# Altium PCB 2019.07.17.master.PcbDoc (part 3 of 6) (continued)
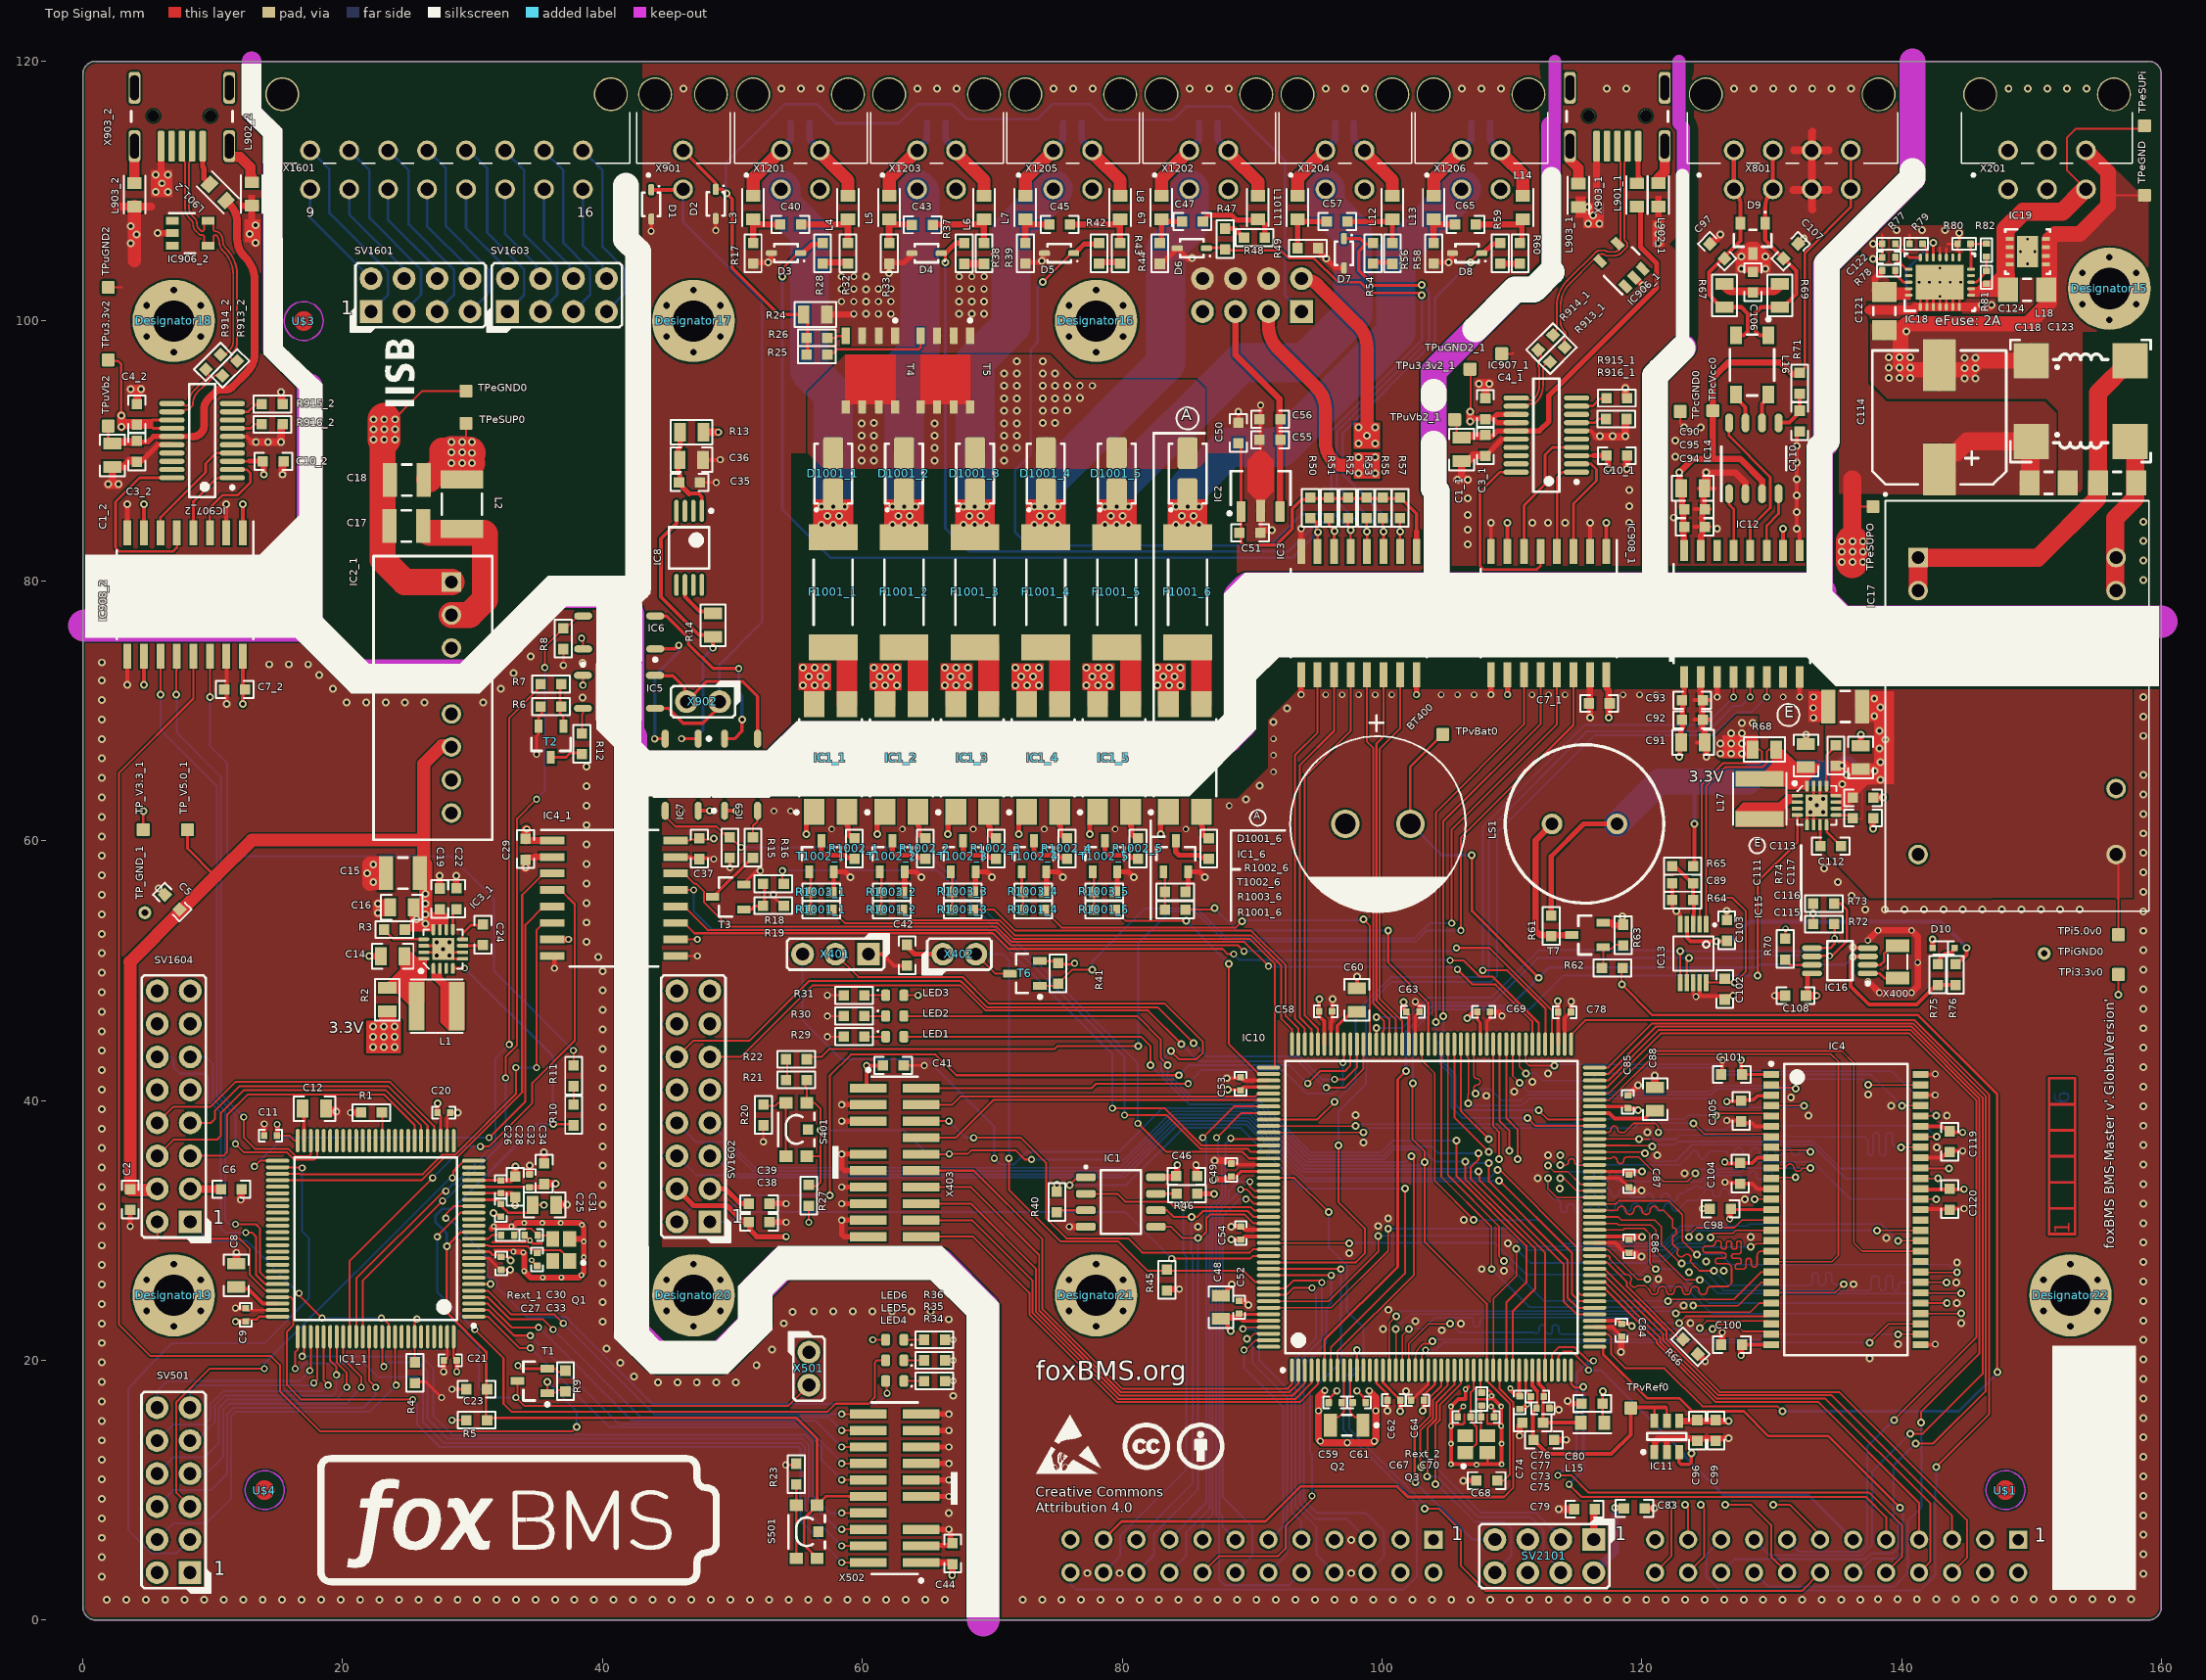
[diagram p0: Top Signal view]
## Nets (pads, with @x,y where several pads share a name; then routed paths per layer and width w, separated by ;. In a path a pad name is that pad's centre, name@x,y a point inside that pad or via, vN(x,y) a via of type N, cw(c..) or ccw(c..) an arc to the next point about the centre after c; other vN are vias at no path point) (continued)
BMS-INTERFACE_0_SPI_MISO: IC10.52 SV1602.6 | length 80.6
  Top Signal w0.15: v1(109.015,33.809) 109.015,33.873 114.634,28.254 114.634,25.084 115.184,24.534 IC10.52@116.372,24.534
  Bottom Signal w0.15: SV1602.6@45.73,35.73 47.22,34.24 49.656,34.24 49.827,34.068 80.189,34.068 84.272,38.152 89.544,38.152 93.927,33.769 108.975,33.769 v1(109.015,33.809)
BMS-INTERFACE_0_SPI_MOSI: IC10.53 SV1602.5 | length 78.6
  Top Signal w0.15: v1(108.915,34.653) 108.915,34.791 109.053,34.653 109.063,34.653 114.991,28.725 114.991,25.337 115.293,25.034 IC10.53@116.372,25.034
  Bottom Signal w0.15: SV1602.5@48.27,35.73 48.519,35.73 49.931,34.318 80.085,34.318 84.169,38.402 89.648,38.402 94.031,34.019 108.281,34.019 v1(108.915,34.653)
BMS-INTERFACE_0_SPI_SCK: IC10.51 SV1602.7 | length 80.7
  Top Signal w0.15: v1(108.236,35.163) 108.236,35.375 108.238,35.376 108.238,33.747 114.293,27.692 114.293,24.799 115.058,24.034 IC10.51@116.372,24.034
  Bottom Signal w0.15: SV1602.7@48.27,38.27 51.722,34.818 79.878,34.818 83.962,38.902 89.855,38.902 94.017,34.739 106.544,34.739 106.968,35.163 v1(108.236,35.163)
BMS-INTERFACE_1_GPIO_0: IC1_1.69 SV1604.11 | length 22.1
  Top Signal w0.152: v2(11.747,30.465) 13.335,30.465 13.652,30.148 13.652,26.759 14.058,26.354 IC1_1.69@14.792,26.354
  Bottom Signal w0.152: SV1604.11@8.27,43.35 9.499,43.35 10.001,42.848 10.001,40.149 10.954,39.196 10.954,30.783 11.271,30.465 v2(11.747,30.465)
BMS-INTERFACE_1_GPIO_1: IC1_1.70 SV1604.12 | length 24.6
  Top Signal w0.152: v2(12.541,29.83) 13.018,29.83 13.335,29.513 13.335,26.568 14.05,25.854 IC1_1.70@14.792,25.854
  Bottom Signal w0.152: SV1604.12@5.73,43.35 6.776,43.35 6.985,43.14 6.985,42.53 7.461,42.054 9.366,42.054 9.684,41.736 9.684,39.99 10.636,39.038 10.636,30.148 10.954,29.83 v2(12.541,29.83)
BMS-INTERFACE_1_GPIO_2: IC1_1.71 SV1604.2 | length 13
  Top Signal w0.152: SV1604.2@5.73,30.65 5.715,30.635 5.715,29.671 6.032,29.354 12.065,29.354 12.859,28.56 12.859,26.573 14.078,25.354 IC1_1.71@14.792,25.354
BMS-INTERFACE_1_GPIO_3: IC1_1.90 SV1604.1 | length 19.9
  Top Signal w0.152: v2(16.637,25.146) 16.637,25.019 v2(18.415,23.241) ; v2(22.987,23.241) 23.099,23.241 23.542,22.798 IC1_1.90@23.542,21.604
  Bottom Signal w0.152: SV1604.1@8.27,30.65 8.229,30.65 9.684,29.195 12.588,29.195 v2(16.637,25.146) ; v2(18.415,23.241) v2(22.987,23.241)
BMS-INTERFACE_1_SPI_CS: IC1_1.29 SV1604.8 | length 24.9
  Top Signal w0.152: SV1604.8@5.73,38.27 6.974,39.514 9.842,39.514 11.747,41.419 23.646,41.419 27.043,38.022 IC1_1.29@27.043,37.104
BMS-INTERFACE_1_SPI_MISO: IC1_1.31 SV1604.6 | length 25.5
  Top Signal w0.152: SV1604.6@5.73,35.73 6.974,36.974 10.319,36.974 10.636,37.291 10.636,39.038 12.383,40.784 23.328,40.784 26.043,38.069 IC1_1.31@26.043,37.104
BMS-INTERFACE_1_SPI_MOSI: IC1_1.32 SV1604.5 | length 22.9
  Top Signal w0.152: SV1604.5@8.27,35.73 10.821,35.73 11.112,36.021 11.112,38.879 12.7,40.466 23.17,40.466 25.542,38.093 IC1_1.32@25.542,37.104
BMS-INTERFACE_1_SPI_SCK: IC1_1.30 SV1604.7 | length 22
  Top Signal w0.152: SV1604.7@8.27,38.27 9.869,38.27 10.16,38.561 10.16,39.196 12.065,41.101 23.487,41.101 26.542,38.046 IC1_1.30@26.542,37.104
BOOT_0_MCU_0: IC10.166 R45.2 T6.3 X402.2 | length 46.8
  Top Signal w0.152: X402.2@68.739,51.103 X402.2@68.739,51.261 70.224,49.776 T6.3@71.382,49.776 T6.3@71.432,49.776 ; v2(71.279,35.545) 71.279,33.119 75.264,29.134 79.706,29.134 81.967,26.872 89.374,26.872 90.213,26.034 IC10.166@91.273,26.034
  Bottom Signal w0.152: X402.2@68.739,51.261 70.802,51.261 71.279,50.785 v2(71.279,35.545)
BOOT_0_MCU_1: IC1_1.94 R4.2 T1.3 X501.2 | length 40.3
  Top Signal w0.152: R4.2@25.559,19.735 25.559,20.187 25.542,20.203 IC1_1.94@25.542,21.804 25.542,22.988 v2(25.717,23.163) ; T1.3@33.457,18.4 33.457,17.25 v2(33.337,17.13) 33.972,16.495 54.309,16.495 55.261,17.448 X501.2@56.197,17.448
  Bottom Signal w0.152: v2(25.717,23.163) 28.416,23.163 30.48,21.099 30.48,17.924 31.274,17.13 v2(33.337,17.13)
CAN_0_H: C97.2 D9.2 L16.2 R67.2 X801.1 X801.5 | length 18.1
  Top Signal w0.305: X801.1@127.087,113.14 X801.5@127.087,110.14 cw(c125.848,108.902) 127.599,108.902 D9.2@127.599,107.535 ; L16.2@127.249,98.897 127.853,98.897 128.168,99.212 128.168,100.559 127.658,101.069 R67.2@126.365,101.069 126.115,101.069 125.171,102.013 125.171,103.759 127.599,106.187 D9.2@127.599,107.375
CAN_0_H_INT: IC14.7 L16.3 | length 2.5
  Top Signal w0.305: L16.3@127.249,94.347 127.249,94.122 127.991,93.38 IC14.7@127.991,92.158
CAN_0_ISO_RXD: IC12.11 IC14.4 | length 4.7
  Top Signal w0.2: IC12.11@129.616,82.343 129.616,84.256 130.531,85.171 IC14.4@130.531,86.708
CAN_0_ISO_STB: IC12.12 IC14.8 | length 11.8
  Top Signal w0.2: IC14.8@126.721,92.158 126.721,91.161 129.901,87.98 129.901,85.629 128.346,84.075 IC12.12@128.346,82.343
CAN_0_ISO_TXD: IC12.13 IC14.1 | length 4.5
  Top Signal w0.2: IC14.1@126.721,86.708 126.721,85.882 127.076,85.526 IC12.13@127.076,82.343
CAN_0_L: C107.1 D9.1 L16.1 R69.1 X801.2 X801.6 | length 18.3
  Top Signal w0.305: D9.1@129.499,107.375 129.499,106.238 131.877,103.861 131.877,102.064 130.882,101.069 R69.1@130.632,101.069 129.187,101.069 128.753,100.635 128.753,99.212 129.068,98.897 L16.1@129.749,98.897 ; D9.1@129.499,107.535 129.499,108.723 cw(c131.504,108.723) X801.6@130.087,110.14 X801.2@130.087,113.14
CAN_0_L_INT: IC14.6 L16.4 | length 2.4
  Top Signal w0.305: IC14.6@129.261,92.158 129.261,93.634 129.749,94.122 L16.4@129.749,94.347
CAN_0_MCU_1_RX: IC1_1.91 SV501.4 | length 30.6
  Top Signal w0.152: IC1_1.91@24.043,21.604 24.043,18.17 v2(24.13,18.083)
  Bottom Signal w0.152: SV501.4@5.715,6.19 6.971,7.446 9.525,7.446 11.43,9.351 11.43,15.701 11.747,16.019 22.066,16.019 v2(24.13,18.083)
CAN_0_MCU_1_TX: IC1_1.52 SV501.3 | length 46
  Top Signal w0.152: IC1_1.52@14.792,34.854 16.835,34.854 v2(16.891,34.798)
  Bottom Signal w0.152: SV501.3@8.255,6.19 7.204,5.139 5.28,5.139 3.492,6.926 3.492,17.765 5.08,19.511 6.892,21.324 13.983,21.324 17.399,24.74 17.399,29.423 16.891,29.931 v2(16.891,34.798)
CAN_0_RX: IC10.163 IC12.6 | length 77.1
  Top Signal w0.15: IC10.163@91.273,27.534 98,27.534 98.679,28.213 98.679,30.16 96.65,32.189 v1(96.65,36.534)
  Top Signal w0.152: IC10.163@91.072,27.534 IC10.163@91.101,27.562 ; v2(129.616,71.059) IC12.6@129.616,72.593
  Bottom Signal w0.152: v1(96.65,36.534) 96.65,39.117 98.75,41.218 98.75,47.124 100.75,49.124 108.413,49.124 108.861,49.572 108.861,60.601 116.357,68.097 125.501,68.097 127.305,69.901 128.458,69.901 v2(129.616,71.059)
CAN_0_SPLIT: C106.2 R67.1 R69.2 | length 5
  Top Signal w0.6: R67.1@126.365,102.869 ccw(c126.936,102.869) 126.936,102.299 128.549,102.299 130.061,102.299 ccw(c130.061,102.869) R69.2@130.632,102.869 R69.2@130.568,102.805
CAN_0_TRANS_STANDBY_CONTROL: IC10.141 IC12.5 | length 61.9
  Top Signal w0.152: IC10.141@91.072,38.534 91.09,38.516 94.999,38.516 v1(96.361,39.878) ; v2(128.346,71.059) IC12.5@128.346,72.593
  Bottom Signal w0.152: v1(96.361,39.878) 97.993,41.51 97.993,46.805 ; 98,46.805 100.699,49.505 107.928,49.505 107.93,49.506 108.032,49.506 108.238,49.712 108.238,60.86 115.794,68.416 125.109,68.416 127.051,70.358 127.645,70.358 v2(128.346,71.059)
CAN_0_TX: IC10.93 IC12.4 | length 44.6
  Top Signal w0.152: v2(107.759,50.013) 109.655,50.013 112.599,47.068 112.599,44.561 IC10.93@112.573,44.534 ; v2(127.076,71.059) IC12.4@127.076,72.593
  Bottom Signal w0.152: v2(107.759,50.013) 107.759,61.058 115.596,68.895 124.912,68.895 v2(127.076,71.059)
CAN_0_VIO: C110.2 IC14.5 R71.2 | length 3.5
  Top Signal w0.305: IC14.5@130.531,92.158 130.56,92.188 131.36,92.188 132.156,92.985 132.156,93.022 132.156,93.612 R71.2@132.156,94.509
CAN_1_RX: IC10.167 JP2201.5 | length 28.7
  Top Signal w0.152: IC10.167@91.072,25.534 92.59,25.534 93.182,26.126 95.232,26.126 v2(95.375,25.983)
  Bottom Signal w0.152: v2(95.375,25.983) 95.375,21.637 93.686,19.948 93.686,8.985 94.907,7.764 97.316,7.764 JP2201.5@98.89,6.19 JP2201.5@98.901,6.179
CAN_1_TRANS_STANDBY_CONTROL: IC10.165 JP2201.6 | length 34.1
  Top Signal w0.152: IC10.165@91.072,26.534 v2(96.1,26.534)
  Bottom Signal w0.152: v2(96.1,26.534) 96.1,24.407 95.726,24.034 95.726,21.353 93.989,19.616 93.989,9.238 95.011,8.216 98.773,8.216 100.171,6.818 100.171,4.931 JP2201.6@98.89,3.65
CAN_1_TX: IC10.168 JP2201.8 | length 27.7
  Top Signal w0.152: IC10.168@91.072,25.034 92.649,25.034 93.176,25.561 v2(94.615,25.561)
  Bottom Signal w0.152: v2(94.615,25.561) 94.932,25.244 94.932,21.696 93.345,20.108 93.345,8.784 94.971,7.158 94.971,5.029 JP2201.8@96.35,3.65
CAN_GND: C90.2 C94.1 C95.1 C97.1 C106.1 C107.2 C110.1 D9.3 IC12.9 IC12.15 IC14.2 TPcGND0.1 X801.3 X801.7 | length 39
  Top Signal w0.15: TPcGND0.1@122.966,93.042 122.966,92.124 v1(123.266,91.824)
  Top Signal w0.3: 124.064,84.15 124.652,84.15 C94.1@124.879,84.15 C94.1@125.24,84.15 ; 124.064,85.51 124.652,85.51 C95.1@124.879,85.51 C95.1@125.24,85.51 ; C90.2@124.381,87.12 124.969,87.12 125.608,87.12
  Top Signal w0.305: v1@126.054,106.648 v1(126.061,106.648) ; 128.549,104.255 D9.3@128.549,105.2 D9.3@128.549,105.375 ; IC12.9@132.156,82.343 132.156,83.795 v1(131.928,84.023) v1(131.928,85.293) v1(131.928,86.563) v1(131.928,87.833) v1(131.928,89.103) v1(131.928,90.373) 131.928,91.344 C110.1@132.156,91.572
  Top Signal w0.5: IC12.15@124.536,82.343 124.572,82.379 124.572,83.494 124.652,83.574 124.652,84.15 124.652,85.51 124.764,85.622 124.764,86.932 C90.2@124.952,87.12 ; v1(124.969,88.341) 127.184,88.341 127.971,87.554 127.971,86.728 IC14.2@127.991,86.708
  Top Signal w0.6: C97.1@125.294,105.888 v1@126.054,106.648 ; 131.683,110.101 X801.7@133.087,110.101 ; 131.756,113.14 X801.3@133.087,113.14 ; C107.2@131.989,105.888 v1(132.476,106.375) ; 133.121,108.585 133.087,108.62 X801.7@133.087,110.101 ; 133.121,114.565 133.087,114.53 X801.3@133.087,113.14 ; 134.398,110.101 X801.7@133.087,110.101 ; 134.4,113.14 X801.3@133.087,113.14 ; X801.7@133.087,110.101 X801.7@133.087,110.14 X801.3@133.087,113.14
  Top Signal w0.7: C90.2@124.969,87.12 v1(124.969,88.341)
  other v1: 125.806,84.023 122.466,84.866 122.594,89.546 122.594,90.816 124.536,91.824 127.658,104.013 129.515,104.013 127.658,104.978 129.515,104.978 127.119,117.881 128.619,117.881 130.119,117.881 131.619,117.881 133.119,117.881 134.619,117.881 136.119,117.881
CAN_GND_INT: BT400.2 C7_1.2 C37.1 C38.2 C39.2 C41.2 C42.2 C46.1 C48.2 C49.2 C52.2 C53.2 C54.2 C58.2 C59.1 C60.2 C61.2 C62.2 C63.2 C64.2 C67.1 C68.2 C69.2 C70.2 C73.2 C74.2 C75.2 C76.2 C77.2 C78.2 C79.2 C80.2 C83.1 C84.2 C85.2 C86.2 C87.2 C88.2 C89.1 C91.2 C92.1 C93.1 C96.2 C98.2 C99.2 C100.2 C101.2 C102.2 C103.1 C104.2 C105.2 C108.2 C111.2 C113.1 C115.2 C116.2 C117.2 C119.2 C120.2 IC1.4 IC3.9 IC4.6 IC4.12 IC4.28 IC4.41 IC4.46 IC4.52 IC4.54 IC4_1.9 IC4_1.15 IC10.14 IC10.22 IC10.37 IC10.48 IC10.61 IC10.71 IC10.90 IC10.102 IC10.113 IC10.126 IC10.135 IC10.148 IC10.158 IC11.1 IC11.2 IC12.2 IC12.3 IC12.8 IC13.5 IC13.8 IC13.9 IC15.5 IC15.6 IC15.14 IC15.15 IC15.PAD IC16.4 IC17.16 IC908_1.9 IC908_1.15 JP2201.1 JP2201.3 JP2202.1 JP2202.3 Q3.2 R15.1 R19.2 R20.1 R29.1 R30.1 R31.1 R45.1 R63.1 R64.1 R66.1 R1003_1.1 R1003_2.1 R1003_3.1 R1003_4.1 R1003_5.1 R1003_6.1 SV1602.9 SV1602.10 SV2101.5 SV2101.6 T3.S T7.S T1002_1.S T1002_2.S T1002_3.S T1002_4.S T1002_5.S T1002_6.S TPiGND0.1 X401.1 X403.3 X403.5 X403.9 X403.11 X403.13 X403.15 X403.17 X403.19 | length 244.4
  Top Signal w0.15: 106.335,15.863 106.335,15.238 106.358,15.214 ; 108.124,15.097 108.124,15.863
  Top Signal w0.152: IC4_1.9@45.406,51.122 IC4_1.9@45.628,51.122 v2(47.307,51.122) ; v2(52.387,36.815) R20.1@52.387,38.029 ; v2(57.309,44.911) R29.1@58.523,44.911 ; v2(57.309,46.499) R30.1@58.523,46.499 ; v2(57.309,48.086) R31.1@58.523,48.086
  Top Signal w0.2: C59.1@95.899,16.736 96.02,16.857 96.02,17.127 v5(96.528,17.635) ; v5(98.079,17.635) 98.605,17.109 98.605,16.881 C61.2@98.747,16.739 ; IC10.14@99.573,19.234 99.574,19.232 99.574,18.249 100.425,17.398 C62.2@100.425,16.924 ; C64.2@102.131,17.029 102.289,16.87 102.197,16.829 102.679,17.31 103.553,18.135 103.553,19.215 IC10.22@103.573,19.234 ; v4(105.308,14.94) 105.375,14.94 105.518,15.083 106.241,15.083 106.358,15.2 106.358,15.214 ; C67.1@105.839,15.634 105.901,15.696 105.901,16.066 v4(106.272,16.437) ; 107.351,17.006 108.437,17.006 ; Q3.2@108.124,12.893 108.124,12.004 108.144,11.985 ; 108.124,15.097 108.955,15.097 109.112,14.94 v4(109.179,14.94) ; 108.253,17.672 108.437,17.489 v4(108.437,17.257) 108.437,17.006 ; v4(108.403,16.437) 108.403,16.43 108.638,16.195 C70.2@108.638,15.634 ; 108.611,17.006 108.437,17.006 ; IC10.37@111.073,19.234 111.073,17.578 111.28,17.371 111.313,17.371 111.455,17.229 C76.2@111.455,17.196 ; C78.2@114.379,46.621 114.404,46.621 114.554,46.771 C78.2@114.554,46.796 ; IC13.8@123.946,49.046 123.946,48.134 124.087,47.993 v3(124.174,47.993) ; IC15.5@132.721,60.923 IC15.5@132.721,61.238 IC15.PAD@132.721,61.933 ; IC15.6@133.221,61.238 IC15.PAD@133.221,62.463 ; IC15.PAD@133.221,62.963 IC15.15@133.221,64.188 ; IC15.PAD@133.721,63.463 IC15.14@133.721,64.188
  Top Signal w0.203: v2(49.809,57.929) R15.1@49.809,58.612 ; T3.S@50.792,56.612 51.864,57.683 v2(52.135,57.683) ; v2(53.162,55.855) 53.162,55.691 R19.2@53.862,54.991 ; C41.2@63.239,42.689 v2(64.77,42.689)
  Top Signal w0.25: 88.011,35.367 C49.2@88.588,35.367 ; C49.2@88.588,35.259 88.813,35.034 IC10.148@91.273,35.034 ; IC10.113@102.573,44.334 102.573,46.502 C63.2@102.887,46.817 ; IC10.102@108.072,44.334 108.072,46.037 108.329,46.294 C69.2@108.329,46.817 C69.2@108.329,46.828 ; IC10.71@116.372,34.034 118.286,34.034 C87.2@119.024,33.296 ; C84.2@118.388,21.766 C84.2@118.388,21.886
  Top Signal w0.3: R1003_1.1@57.631,56.032 57.803,56.204 57.803,57.401 T1002_1.S@57.803,57.601 ; X401.1@60.484,51.261 61.557,51.261 62.438,50.381 C42.2@63.449,50.381 ; v1(88.06,41.715) 89.125,41.715 89.306,41.534 IC10.135@91.273,41.534 ; C54.2@89.138,30.291 89.163,30.291 89.42,30.034 IC10.158@91.273,30.034 ; IC10.126@96.073,44.334 96.073,46.02 96.165,46.112 v1@96.165,47.801 ; C60.2@98.072,48.459 v1(98.072,49.54) ; v1(101.843,17.602) 101.925,17.52 101.925,17.234 C64.2@102.131,17.029 ; 106.63,17.956 v4(106.436,17.762) 106.436,17.006 105.876,17.006 v4(105.308,16.437) v4(105.308,14.94) v4(105.308,13.577) v4(105.308,11.985) 108.144,11.985 v4(109.216,11.985) v4(109.216,13.577) 109.216,14.863 109.179,14.9 v4(109.179,14.94) v4(109.179,16.437) 108.611,17.006 ; IC10.90@114.073,44.334 114.073,46.315 C78.2@114.379,46.621 ; IC10.48@116.372,22.534 117.741,22.534 C84.2@118.388,21.886 ; IC10.61@116.372,29.034 117.935,29.034 118.594,28.375 118.773,28.375 118.879,28.27 119.487,28.27 ; C87.2@119.024,33.296 119.249,33.071 v1(119.967,33.071) ; C89.1@122.35,56.722 122.35,54.891 122.975,54.266 IC13.5@122.975,53.783 ; 124.038,70.815 125.214,70.815 ; 124.046,69.304 125.222,69.304 ; 124.236,67.564 C91.2@124.977,67.564 ; IC13.9@124.462,49.061 124.462,48.024 126.35,48.024 126.39,48.065 v1(127.049,48.065) ; C101.2@126.195,41.996 v2(126.195,43.107) ; v2(126.409,33.713) 126.437,33.685 127.548,33.685 C104.2@127.575,33.713 ; v2(126.549,38.459) C105.2@127.66,38.459 ; C103.1@126.549,53.886 126.549,54.597 v1(126.542,54.604) 126.542,54.509 v1@126.568,54.483 ; C104.2@127.575,33.649 127.629,33.595 128.5,33.595 128.899,33.196 IC4.12@129.966,33.196 ; C105.2@127.742,38.449 127.935,38.257 128.482,38.257 128.744,37.996 IC4.6@129.966,37.996 ; v1@136.322,51.74 IC16.4@137.427,51.74 ; C117.2@136.854,67.203 C117.2@136.854,67.428 ; IC4.41@141.466,31.596 141.501,31.63 143.677,31.63 143.711,31.664 v2(144.805,31.664) ; IC4.46@141.466,35.596 143.09,35.596 143.604,36.11 143.642,36.11 143.649,36.103 144.697,36.103 v2(144.704,36.11) ; IC4.28@141.501,21.23 141.518,21.213 142.578,21.213 v2(142.595,21.23) ; IC4.52@141.501,40.43 141.509,40.421 v2(142.578,40.421) ; IC4.54@141.501,42.03 141.518,42.013 142.578,42.013 v2(142.595,42.03)
  Top Signal w0.305: IC4_1.15@45.453,58.742 IC4_1.15@45.628,58.742 46.8,58.742 46.89,58.652 48.509,58.652 v2(48.578,58.583)
  Top Signal w0.4: T1002_1.S@57.703,57.301 T1002_1.S@57.803,57.401 ; T1002_1.S@57.803,57.601 58.68,57.601 v1(59.08,57.201) ; v2(58.417,33.323) X403.13@60.462,33.323 ; v2(58.42,32.053) X403.15@60.465,32.053 ; v2(58.42,38.403) X403.5@60.465,38.403 ; v2(58.42,39.673) X403.3@60.465,39.673 ; X403.19@60.465,29.513 58.609,29.513 58.42,29.701 v2(58.42,30.783) X403.17@60.465,30.783 ; X403.11@60.465,34.593 58.651,34.593 58.417,34.827 58.417,35.86 v2(58.42,35.863) X403.9@60.465,35.863 ; R1003_2.1@62.965,56.058 R1003_2.1@62.965,56.158 ; R1003_2.1@63.065,56.032 63.259,56.226 T1002_2.S@63.259,57.401 ; T1002_2.S@63.159,57.301 T1002_2.S@63.259,57.401 ; v1(64.537,57.201) 64.136,57.601 T1002_2.S@63.259,57.601 T1002_2.S@63.259,57.401 ; R1003_3.1@68.421,56.058 R1003_3.1@68.421,56.158 ; R1003_3.1@68.521,56.058 68.715,56.252 T1002_3.S@68.715,57.401 ; T1002_3.S@68.615,57.301 T1002_3.S@68.715,57.401 ; v1(69.993,57.201) 69.593,57.601 T1002_3.S@68.715,57.601 T1002_3.S@68.715,57.401 ; R1003_4.1@73.977,56.058 74.171,56.252 T1002_4.S@74.171,57.401 ; T1002_4.S@74.071,57.301 T1002_4.S@74.171,57.401 ; v1(75.449,57.201) 75.049,57.601 T1002_4.S@74.171,57.601 T1002_4.S@74.171,57.401 ; R1003_5.1@79.333,56.058 R1003_5.1@79.333,56.158 ; R1003_5.1@79.433,56.058 79.627,56.252 T1002_5.S@79.627,57.401 ; T1002_5.S@79.527,57.301 T1002_5.S@79.627,57.401 ; v1(80.905,57.201) 80.505,57.601 T1002_5.S@79.627,57.601 T1002_5.S@79.627,57.401 ; R1003_6.1@84.789,56.058 R1003_6.1@84.789,56.158 ; R1003_6.1@84.889,56.058 85.083,56.252 T1002_6.S@85.083,57.401 ; T1002_6.S@84.983,57.301 T1002_6.S@85.083,57.401 ; v1(86.361,57.201) 85.961,57.601 T1002_6.S@85.083,57.601 T1002_6.S@85.083,57.401 ; C48.2@87.605,24.979 87.855,24.979 88.105,25.229 88.105,25.479 88.442,25.816 v1@88.442,25.826 ; v1(88.404,30.284) 88.411,30.291 C54.2@89.138,30.291 ; v2(93.777,71.234) IC3.9@93.777,72.769 ; v1@100.425,16.121 C62.2@100.425,16.924 ; v2(102.573,47.6) 102.887,47.286 C63.2@102.887,46.817 ; v1(106.273,10.729) 106.275,10.728 C68.2@107.272,10.728 ; C69.2@108.329,46.817 108.934,46.817 v2(109.25,46.501) ; v2(108.396,71.234) IC908_1.9@108.396,72.769 ; C74.2@110.637,16.236 110.687,16.286 110.897,16.286 111.413,16.802 111.413,17.146 C76.2@111.463,17.196 ; C77.2@112.895,16.307 v1@113.589,16.307 ; v1(114.299,16.857) 114.494,16.662 C80.2@115.38,16.662 ; C78.2@114.554,46.796 114.575,46.817 v1(114.575,47.625) ; C85.2@118.941,40.393 v1@119.708,41.161 ; v2(125.806,71.059) IC12.3@125.806,72.593 ; v2(132.156,71.059) IC12.8@132.156,72.593
  Top Signal w0.406: C38.2@52.92,30.624 v2(54.134,30.624) ; C39.2@52.92,32.053 v2(54.134,32.053)
  Top Signal w0.5: v2(75.941,30.272) IC1.4@77.17,30.272 ; R45.1@83.452,25.472 v2(84.404,25.472) ; C46.1@85.69,34.167 v2(85.69,35.034) ; v1(87.114,35.367) 88.011,35.367 ; C52.2@89.002,24.579 89.39,24.579 v1(89.712,24.257) ; v2(110.583,14.178) 110.583,14.965 C73.2@110.637,15.018 ; C75.2@113.271,13.868 v2@114.173,13.868 ; v1(116.013,69.457) 116.013,71.714 116.016,71.717 IC908_1.15@116.016,72.769 ; T7.S@117.024,53.68 117.626,53.68 117.842,53.464 R63.1@118.534,53.464 ; v1(118.413,20.635) 118.413,21.582 C84.2@118.413,21.61 ; v1@118.534,54.178 R63.1@118.534,53.464 ; R63.1@118.567,53.43 R63.1@118.534,53.464 ; C86.2@119.024,28.27 119.487,28.27 119.779,27.978 v1(119.967,27.978) ; C83.1@120.155,8.697 120.155,8.597 v1(120.949,8.597) ; IC11.1@120.979,12.932 121.01,12.962 121.01,13.699 121.302,13.992 121.929,13.992 ; IC11.2@121.929,12.932 121.929,13.992 ; R66.1@124.313,20.468 v2(124.877,19.904) ; C93.1@124.536,71.059 IC12.2@124.536,72.593 ; C93.1@124.626,70.815 124.626,68.728 124.831,68.523 124.831,67.71 124.977,67.564 v1(124.977,66.448) ; v2(124.668,31.664) 125.31,31.664 C98.2@125.329,31.644 ; C100.2@126.195,21.196 v2(126.195,22.14) ; v1(126.676,13.992) 121.929,13.992 ; C111.2@132.66,67.421 v1@132.66,68.197 ; v2(133.198,70.231) 134.275,70.231 C113.1@134.376,70.333 134.376,70.759 134.076,71.059 v2(133.221,71.059) ; C117.2@136.854,67.428 v1@136.854,68.103 ; v3(137.401,52.312) v3(138.181,53.092) v3(140.768,53.092) 141.248,52.612 v3(141.248,50.612) 141.248,48.772 v3(140.768,48.292) v3(138.288,48.292) v3(137.408,49.172) ; v1@137.771,61.009 C115.2@137.771,61.659
  Top Signal w0.55: v5(95.598,17.672) 95.108,17.182 95.108,13.914 95.381,13.641 99.301,13.641 99.537,13.877 v5(99.537,16.104) 99.537,17.115 v5(99.018,17.635)
  Top Signal w0.6: v1(113.618,8.534) C79.2@114.87,8.534 ; C88.2@120.992,41.115 v1(120.992,41.924) ; v3(130.221,48.061) C108.2@131.046,48.061 ; C116.2@137.903,63.309 137.933,63.339 v1(138.576,63.339)
  other v1: 72.343,1.575 73.843,1.575 75.343,1.575 76.843,1.575 78.343,1.575 79.843,1.575 81.343,1.575 82.843,1.575 84.343,1.575 85.843,1.575 87.343,1.575 88.843,1.575 90.343,1.575 91.843,1.575 93.343,1.575 94.843,1.575 96.343,1.575 97.843,1.575 99.343,1.575 100.843,1.575 102.343,1.575 103.843,1.575 105.343,1.575 106.843,1.575 108.343,1.575 109.843,1.575 111.343,1.575 112.843,1.575 114.343,1.575 115.843,1.575 117.343,1.575 118.843,1.575 120.343,1.575 121.843,1.575 123.343,1.575 124.843,1.575 126.343,1.575 127.843,1.575 129.343,1.575 130.843,1.575 132.343,1.575 133.843,1.575 135.343,1.575 136.843,1.575 138.183,1.6 139.683,1.6 141.183,1.6 142.683,1.6 144.183,1.6 145.683,1.6 147.183,1.6 148.683,1.6 150.183,1.6 151.683,1.6 153.183,1.6 154.683,1.6 156.183,1.6 157.683,1.6 158.6,3.558 158.6,5.058 158.6,6.558 158.6,8.058 158.6,9.558 158.6,11.058 158.6,12.558 158.6,14.058 158.6,15.558 100.432,16.104 113.618,16.195 158.6,17.058 158.6,18.558 158.6,20.058 137.528,20.139 139.725,21.239 158.6,21.558 104.618,22.307 100.081,22.395 106.07,22.809 144.577,22.839 123.735,22.86 102.576,23.009 158.6,23.058 100.501,23.888 123.22,24.198 144.239,24.396 158.6,24.558 88.442,25.821 136.291,25.849 144.222,25.993 158.6,26.058 121.285,26.228 123.65,26.759 109.379,26.889 107.68,27.017 144.272,27.516 158.6,27.558 124.964,27.612 97.472,28.226 109.703,28.981 158.6,29.058 138.816,29.413 124.426,29.476 128.394,29.476 99.72,30.334 158.6,30.558 106.316,30.796 100.482,30.912 158.6,32.058 127.92,32.402 113.697,33.22 158.6,33.558 111.999,34.014 123.293,34.388 158.6,35.058 112.793,35.765 121.186,35.794 142.697,36.396 158.6,36.558 98.582,36.772 120.451,37.542 158.6,38.058 132.839,38.828 143.482,38.828 97.993,38.862 158.6,39.558 139.213,39.596 131.496,40.224 108.03,40.357 137.436,40.447 110.185,40.686 158.6,41.058 119.709,41.159 111.577,41.44 112.774,42.078 158.6,42.558 158.6,44.058 158.6,45.558 158.6,47.058 96.19,47.801 158.6,48.558 158.6,50.058 158.6,51.558 136.246,51.791 158.6,53.058 118.532,54.178 158.6,54.558 122.662,54.579 137.221,54.686 138.721,54.686 140.221,54.686 141.721,54.686 143.221,54.686 144.721,54.686 146.221,54.686 147.721,54.686 149.221,54.686 150.721,54.686 152.221,54.686 153.721,54.686 136.161,55.746 158.6,56.058 135.101,56.806 158.6,57.558 134.041,57.866 158.6,59.058 158.6,60.558 137.795,60.909 158.6,62.058 89.537,63.184 158.6,63.558 90.597,64.244 158.6,65.058 158.6,68.058 132.639,68.148 136.855,68.148 91.657,69.114 158.6,69.558 92.717,70.174 158.6,71.058 158.6,72.558 158.6,74.058
  other v2: 114.198,13.868 133.221,69.457
  other v3: 57.635,60.884 63.091,60.884 68.548,60.884 74.004,60.884 79.46,60.884 84.916,60.884 53.205,62.29 54.475,62.29 46.101,62.298 88.24,62.687 91.657,65.304 91.657,66.574 91.657,67.844 130.886,71.059 95.67,71.234 96.94,71.234 98.21,71.234 99.48,71.234 100.75,71.234 104.56,71.234 105.83,71.234 107.1,71.234 111.56,71.234 112.83,71.234 114.1,71.234 118.559,71.234 119.829,71.234 121.099,71.234
  other v4: 107.283,11.949 111.208,16.597
  other v5: 97.341,13.641 95.245,13.778 99.419,13.759 95.123,16.104
  other v6: 77.318,3.613 79.807,3.613 97.638,3.613 97.638,6.145 85.833,30.272
CAN_VCC: C90.1 C94.2 C95.2 IC12.10 IC12.16 IC14.3 R71.1 TPcVcc0.1 X801.4 X801.8 | length 48.8
  Top Signal w0.2: R71.1@132.156,96.009 132.556,96.409 132.556,105.237 136.087,108.767 X801.8@136.087,110.14 X801.4@136.087,113.14
  Top Signal w0.3: IC12.10@130.886,82.343 v1(130.886,84.017)
  Top Signal w0.5: v1(122.885,88.341) v1@122.893,88.333 ; IC12.16@123.266,82.343 123.256,82.353 123.256,83.519 123.202,83.574 123.202,85.51 123.089,85.622 123.089,86.932 122.902,87.12 122.902,88.325 v1@122.893,88.333 ; 125.777,95.932 125.476,95.631 TPcVcc0.1@125.476,93.097 125.476,89.433 125.527,89.383 ; 125.86,96.015 126.644,96.799 130.715,96.799 131.605,95.909 R71.1@132.156,95.909 ; IC14.3@129.261,86.708 129.261,87.71 127.588,89.383 125.527,89.383 ; v1@122.893,88.333 123.943,89.383 125.527,89.383
CONTACTOR_0_COIL_POS: D1001_1.1 F1001_1.2 X1201.3 | length 29.9
  Top Signal w1.5: F1001_1.2@57.76,83.371 57.76,84.658 D1001_1.1@57.76,86.333
  Bottom Signal w3: X1201.3@53.746,110.145 53.746,108.978 55.931,106.793 55.931,96.18 57.76,94.351 57.76,84.912
  other v1: 56.868,84.325 57.76,84.325 58.651,84.325 57.314,85.01 58.205,85.01 56.868,85.696 57.76,85.696 58.651,85.696
CONTACTOR_0_CONTROL: IC10.133 R1001_1.2 | length 44.3
  Top Signal w0.152: R1001_1.2@57.631,54.686 58.691,53.627 70.45,53.627 71.624,52.453 89.832,52.453 91.751,50.534 91.751,42.602 91.683,42.534 IC10.133@91.273,42.534
CONTACTOR_0_FEEDBACK: IC3.10 IC10.130 | length 29.3
  Top Signal w0.152: IC10.130@94.072,44.534 94.063,44.543 94.063,45.533 93.289,46.308 93.289,66.568 95.047,68.326 IC3.10@95.047,72.769
CONTACTOR_0_FEEDBACK_EXT: R28.1 R32.1 | length 2
  Top Signal w0.5: R28.1@56.941,104.518 R32.1@58.895,104.518
CONTACTOR_1_COIL_POS: D1001_2.1 F1001_2.2 X1203.3 | length 28.4
  Top Signal w1.5: F1001_2.2@63.216,83.371 D1001_2.1@63.216,86.333
  Bottom Signal w3: 63.241,85.289 63.241,85.925 63.241,96.545 64.44,97.744 64.44,109.929 X1203.3@64.223,110.145
  other v1: 62.324,84.325 63.216,84.325 64.107,84.325 62.77,85.01 63.661,85.01 62.324,85.696 63.216,85.696 64.107,85.696
CONTACTOR_1_CONTROL: IC10.132 R1001_2.2 | length 37.2
  Top Signal w0.152: R1001_2.2@63.065,54.686 63.872,53.879 70.554,53.879 71.728,52.705 89.937,52.705 92.241,50.401 92.241,46.328 93.073,45.496 IC10.132@93.073,44.534
CONTACTOR_1_FEEDBACK: IC3.11 IC10.129 | length 29.7
  Top Signal w0.152: IC10.129@94.573,44.534 94.573,45.485 93.69,46.368 93.69,65.826 96.317,68.453 IC3.11@96.317,72.769
CONTACTOR_1_FEEDBACK_EXT: R37.1 R38.1 | length 1.5
  Top Signal w0.6: R37.1@67.843,104.407 R38.1@69.373,104.407
CONTACTOR_2_COIL_POS: D1001_3.1 F1001_3.2 X1205.3 | length 30.3
  Top Signal w1.5: F1001_3.2@68.672,83.371 D1001_3.1@68.672,86.333
  Bottom Signal w3: 68.697,85.289 68.697,85.925 68.697,96.926 71.45,99.679 71.45,106.894 X1205.3@74.701,110.145
  other v1: 67.781,84.325 68.672,84.325 69.563,84.325 68.226,85.01 69.118,85.01 67.781,85.696 68.672,85.696 69.563,85.696
CONTACTOR_2_CONTROL: IC10.131 R1001_3.2 | length 32.1
  Top Signal w0.152: R1001_3.2@68.521,54.686 70.152,54.686 71.772,53.067 89.932,53.067 92.59,50.409 92.59,46.5 93.572,45.517 IC10.131@93.572,44.534
CONTACTOR_2_FEEDBACK: IC3.12 IC10.128 | length 30.3
  Top Signal w0.152: IC10.128@95.073,44.334 95.073,45.535 94.073,46.535 94.073,64.923 97.587,68.438 IC3.12@97.587,72.769
CONTACTOR_2_FEEDBACK_EXT: R42.1 R43.2 | length 1.7
  Top Signal w0.5: R42.1@78.134,104.529 R43.2@79.839,104.529
CONTACTOR_3_COIL_POS: D1001_4.1 F1001_4.2 X1202.3 | length 32.4
  Top Signal w1.5: F1001_4.2@74.128,83.371 74.128,85.289 D1001_4.1@74.128,86.333
  Bottom Signal w3: 74.154,85.289 74.154,85.925 74.154,87.565 83.345,96.756 83.345,105.604 85.178,107.437 X1202.3@85.178,110.145
  other v1: 73.237,84.325 74.128,84.325 75.02,84.325 73.682,85.01 74.574,85.01 73.237,85.696 74.128,85.696 75.02,85.696
CONTACTOR_3_CONTROL: IC10.120 R1001_4.2 | length 35.2
  Top Signal w0.152: R1001_4.2@73.977,54.686 75.344,53.319 88.754,53.319 v1(89.238,53.803) ; v1(98.573,53.95) 99.072,53.45 IC10.120@99.072,44.334
  Bottom Signal w0.152: v1(89.238,53.803) 89.311,53.876 98.499,53.876 v1(98.573,53.95)
CONTACTOR_3_FEEDBACK: IC3.13 IC10.117 | length 28.9
  Top Signal w0.152: IC3.13@98.857,72.769 98.857,67.615 99.325,67.147 99.325,47.499 100.573,46.252 IC10.117@100.573,44.534
CONTACTOR_3_FEEDBACK_EXT: R47.2 R48.1 | length 1.8
  Top Signal w0.4: R47.2@87.939,107.015 88.039,107.115 88.687,107.115 89.235,106.567 R48.1@89.235,106.315
CONTACTOR_4_COIL_POS: D1001_5.1 F1001_5.2 X1204.3 | length 39.1
  Top Signal w1.5: F1001_5.2@79.584,83.371 v1(79.584,84.325) v1(79.584,85.696) D1001_5.1@79.584,86.333
  Bottom Signal w3: 79.61,85.289 79.61,87.23 89.179,96.799 94.082,96.799 97.765,100.482 97.765,106.756 95.656,108.865 X1204.3@95.656,110.145
  other v1: 78.693,84.325 80.476,84.325 79.139,85.01 80.03,85.01 78.693,85.696 80.476,85.696